# KiCad board KiBoxLite_H.kicad_pcb (continued)
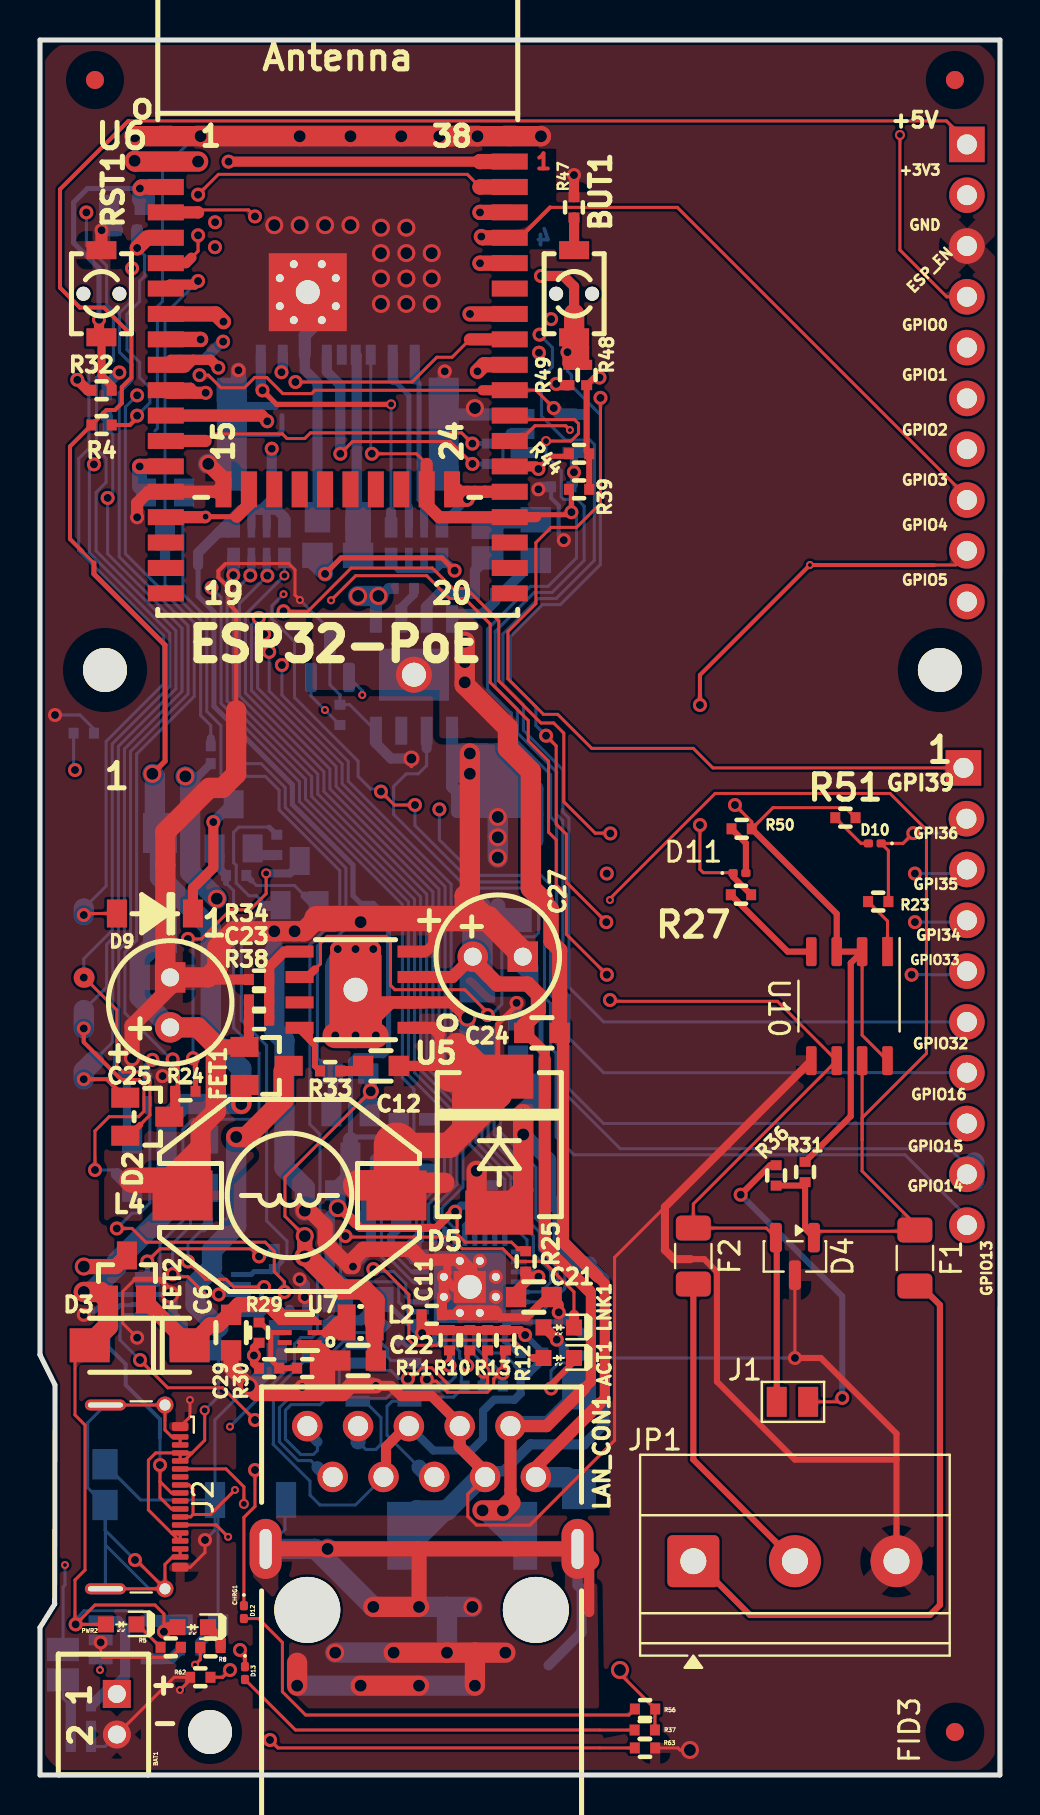
[diagram p0: board, top side]
## Footprints (pads in the part's own frame, mm; a bottom-side part is the same pattern mirrored in y, then rotated) (continued)
RJP-003TC1(LPJ4112CNL)
  round 3.3 hole 3.3 unplated: (-5.715,-0.15) (5.715,-0.15)
  oval 1.6x3 hole 0.6x2: 0(-7.8,2.9) 0(7.8,2.9)
  round 1.524 hole 1: 1(-5.715,9.04) 2(-4.445,6.5) 3(-3.175,9.04) 4(-1.905,6.5) 5(-0.635,9.04) 6(0.635,6.5) 7(1.905,9.04) 8(3.175,6.5) 9(4.445,9.04) 10(5.715,6.5)
SJ
  rect 1.168x1.6 smd: 1(-0.762,0) 2(0.762,0)
SMA-KA
  rect 2x1.7 smd: 1(-2.5,0) 2(2.5,0)
  rect 1.746x1.192 smd: 1(-2.373,0) 2(2.373,0)
SOD-123_1C-2A_KA
  rect 1x1.4 smd: 1(-1.9,0) 2(1.9,0)
SolderJumper_IND_Data
  rect 1x1.5 smd: 1(-0.77,0) 2(0.8,0)
SOT23
  rect 1.4x1 smd: 1(1.107,-0.95) 2(1.107,0.953) 3(-1.102,-0.003)
SOT23-3
  rect 1.4x1 smd: 1(1.1,-0.95) 2(1.1,0.95) 3(-1.1,0)
SOT-23
  rrect 1.475x0.6 smd: 1(-0.938,0.95) 2(-0.938,-0.95) 3(0.938,0)
SOT-23-5
  rect 1.2x0.55 smd: 1(1.3,-0.95) 2(1.3,0) 3(1.3,0.95) 4(-1.3,0.95) 5(-1.3,-0.95)
SOT-563-6
  rect 0.75x0.23 smd: (-0.775,0.5) (-0.775,0) (-0.775,-0.5) (0.775,0.5) (0.775,0) (0.775,-0.5)
  rect 0.7x0.25 smd: 1(0.75,-0.5) 2(0.75,0) 3(0.75,0.5) 4(-0.75,0.5) 5(-0.75,0) 6(-0.75,-0.5)
TerminalBlock_Phoenix_MKDS-1,5-3-5.08_1x03_P5.08mm_Horizontal
  rrect 2.6x2.6 hole 1.3: 1(0,0)
  round 2.6 hole 1.3: 2(5.08,0) 3(10.16,0)
USB_C_Receptacle_G-Switch_GT-USB-7025
  rrect 0.28x0.83 smd: A1(-3,3.45) A4(-2.2,3.45) A5(-1.4,3.45) A6(-0.6,3.45) A7(-0.2,3.45) A8(0.2,3.45) A9(1.8,3.45) A12(2.6,3.45) B1(3,3.45) B4(2.2,3.45) B5(1.4,3.45) B6(1,3.45) B7(0.6,3.45) B8(-1,3.45) B9(-1.8,3.45) B12(-2.6,3.45)
  rrect 0.45x0.83 smd: GND(-3.515,3.45) GND(3.515,3.45)
  round 0.85 hole 0.55: SH(-4.595,2.69) SH(4.595,2.69)
  oval 0.55x2.05 hole 0.25x1.75: SH(-4.595,-0.29) SH(4.595,-0.29)
uSD(TFC-9P-1.xH(ATFFS150A01BR016))
  rect 1.76x1.46 smd: (-5.3,-1.55) (-5.3,2.9) (5.3,-1.55) (5.3,2.9)
  rect 0.5x1 smd: 1(3.85,-3.3) 2(2.75,-3.3) 3(1.65,-3.3) 4(0.9,-3.3) 5(-0.55,-3.3) 6(-1.65,-3.3) 7(-2.75,-3.3) 8(-3.85,-3.3) CD1(0.2,-3.3)
  rect 1.5x1.2 smd: CH1(-5.3,-1.55) CH1(-5.3,2.9) CH1(5.3,-1.55) CH1(5.3,2.9)
  rect 1.5x4.5 smd: CH1(-5.3,0.5) CH1(5.3,0.5)

## Nets
+3.3V: C10.1 C22.1 C29.2 EXT1.2 FET3.2 L2.2 L5.1 R2.1 R16.2 R29.2 R32.1 R37.1 R39.1 R44.2 R48.1 R56.1 RM3.1.2 RM3.2.2 RM3.3.2 RM3.4.2 U6.2
+3.3VLAN: C9.1 C14.1 C28.2 FET3.3 L1.1 R25.2 RM1.3.1 RM2.1.1 RM2.2.1 RM2.3.1 RM2.4.1 U4.12 U8.5
+5V: C1.1 CHRG1.2 D1.1 D3.2 EXT1.1 FET1.2 FET2.1 PWR2.2 R1.1 R4.1 R31.1 R50.2 R51.2 U3.4 U10.2 U10.3 U10.8
+5VP: C23.1 C25.1 D1.2 FET1.1 L4.2 R38.1
/+5V_USB: C7.1 FET1.3 J2.A4 J2.A9 J2.B4 J2.B9 R18.1 U1.7
GND: BAT1.2 C1.2 C2.1 C3.2 C6.2 C7.2 C8.2 C9.2 C11.2 C13.2 C14.2 C15.2 C16.2 C17.2 C18.2 C19.2 C20.2 C21.1 C22.2 C25.2 C26.2 C27.2 C28.1 D4.3 D4#2.3 D5.2 EXT1.3 J1.3 J2.GND L7.2 LAN_CON1.7 LAN_CON1.8 MICRO_SD1.6 MICRO_SD1.CH1 R1.2 R5.2 R6.2 R7.2 R9.2 R15.2 R22.2 R26.2 R30.2 R34.2 R35.2 R41.1 R42.2 R47.2 R62.2 R63.2 RM1.1.1 RM1.2.1 RST1.2 T1.2 TVS1.2 U1.3 U3.2 U4.24 U4.25 U4.33 U5.4 U6.1 U6.15 U6.38 U6.39 U7.1 U8.3 U9.5 U9.8 U10.5
/D+: J2.A6 J2.B6 U1.1
/D-: J2.A7 J2.B7 U1.2
/D_Com: D2.3 R24.2 R49.2
/ESP_EN: C20.1 D9.2 EXT1.4 R32.2 RST1.1 U6.3
/GPI34\BUT1: BUT1.1 EXT2.4 R48.2 R49.1 U6.6
/GPI35: BAT_SENS_E1.1 EXT2.3 U6.7
/GPI36\U1RXD: D10.1 EXT2.2 R23.1 U6.4
/GPI39: EXT2.1 R4.2 R9.1 U6.5
/GPIO0: D2.2 EXT1.5 R44.1 U6.25 U8.2
/GPIO1\U0TXD: D7.1 EXT1.6 U6.35
/GPIO2\HS2_DATA0: D2.1 EXT1.7 R46.1 RM3.4.1 U6.24
/GPIO3\U0RXD: D6.2 EXT1.8 R16.1 R19.2 U6.34
/GPIO4\U1TXD: D11.1 EXT1.9 R27.1 U6.26
/GPIO5\SPI_CS: EXT1.10 U6.29
/GPIO12\PHY_PWR: T1.1 U6.14
/GPIO13\I2C-SDA: EXT2.10 U6.16
/GPIO14\HS2_CLK: EXT2.9 R40.1 U6.13
/GPIO15\HS2_CMD: EXT2.8 MICRO_SD1.3 R39.2 U6.23
/GPIO16\I2C-SCL: EXT2.7 R45.2 U6.27
/GPIO17\EMAC_CLK_OUT_180: U4.5 U6.28 U8.4
/GPIO18\MDIO(RMII): RM2.4.2 U4.16 U6.30
/GPIO19\EMAC_TXD0(RMII): U4.22 U6.31
/GPIO21\EMAC_TX_EN(RMII): U4.21 U6.33
/GPIO22\EMAC_TXD1(RMII): U4.23 U6.36
/GPIO23\MDC(RMII): U4.17 U6.37
/GPIO25\EMAC_RXD0(RMII): RM2.2.2 U4.11 U6.10
/GPIO26\EMAC_RXD1(RMII): RM2.1.2 U4.10 U6.11
/GPIO27\EMAC_RX_CRS_DV: RM2.3.2 U4.15 U6.12
/GPIO32: EXT2.6 U6.8
/GPIO33: EXT2.5 R45.1 U6.9
/RD+: LAN_CON1.3 R11.2 TVS1.1 TVS3.1 U4.31
/RD-: LAN_CON1.6 R10.2 TVS1.5 TVS3.2 U4.30
/TD+: LAN_CON1.1 R13.2 TVS1.3 TVS2.2 U4.29
/TD-: LAN_CON1.2 R12.2 TVS1.4 TVS2.1 U4.28
Spare1: C24.1 C27.1 D8.1 LAN_CON1.9 R7.1 R28.2 R42.1 R52.1 U5.3 U9.1
Spare2: C24.2 D8.2 LAN_CON1.10 R53.2 R54.1 U9.4 U9.9
Net-(ACT1-A): ACT1.2 U4.3
Net-(ACT1-K): ACT1.1 R15.1
Net-(BAT_SENS_E1-Pad2): BAT_SENS_E1.2 C19.1 R17.2 R22.1
Net-(BUT1-Pad2): BUT1.2 R47.1
Net-(C10-Pad2): C10.2 FET3.1 R2.2 R3.1
Net-(C12-Pad2): C12.2 R33.2
Net-(C26-Pad1): C26.1 R43.1
Net-(CHRG1-K): CHRG1.1 R8.1
Net-(Class4_EN1-Pad1): Class4_EN1.1 R54.2
Net-(D3-K): C6.1 D3.1 FET2.2 U7.3 U7.4
Net-(D4-A1): D4.1 D4#2.1 F1.1 R31.2 R36.1 U10.7
Net-(D4-A2): D4.2 D4#2.2 F2.1 JP1.1 R35.1 U10.6
Net-(D5-K): C12.1 D5.1 L4.1 R43.2 U5.1
Net-(D9-K): D9.1 Q2.3
Net-(D10-A): D10.2 R51.1
Net-(D11-A): D11.2 R50.1
Net-(D12-A): D12.2 R56.2
Net-(D12-K): D6.1 D12.1 U1.8
Net-(D13-A): D13.2 R37.2
Net-(D13-K): D7.2 D13.1 R18.2 U1.9
Net-(J1-Pin_1): F1.2 J1.1
Net-(J1-Pin_2): F2.2 J1.2
Net-(J2-CC1): J2.A5 R63.1
Net-(J2-CC2): J2.B5 R62.1
Net-(J2-SHIELD): J2.A1 J2.A12 J2.B1 J2.B12 J2.SH L7.1
Net-(JP1-B): JP1.2 R36.2
Net-(LAN_CON1-RCT): C11.1 C13.1 C15.1 C16.1 L1.2 LAN_CON1.4 LAN_CON1.5 R10.1 R11.1 R12.1 R13.1 R14.1 U4.1 U4.27
Net-(LAN_CON1-Shield): C2.2 LAN_CON1.0
Net-(LNK1-A): LNK1.2 R14.2
Net-(LNK1-K): LNK1.1 U4.2
Net-(MICRO_SD1-CD/DAT3/CS): MICRO_SD1.2 RM3.2.1
Net-(MICRO_SD1-CLK/SCLK): MICRO_SD1.5 R40.2
Net-(MICRO_SD1-DAT0/DO): MICRO_SD1.7 R46.2
Net-(MICRO_SD1-DAT1/RES): MICRO_SD1.8 RM3.1.1
Net-(MICRO_SD1-DAT2/RES): MICRO_SD1.1 RM3.3.1
Net-(MICRO_SD1-VDD): C3.1 L5.2 MICRO_SD1.4
Net-(PWR2-K): PWR2.1 R5.1
Net-(Q2-B): Q2.1 R20.2
Net-(Q2-E): Q2.2 R21.1 U1.4
Net-(Q3-B): Q3.1 R21.2
Net-(Q3-C): Q3.3 R24.1
Net-(Q3-E): Q3.2 R20.1 R55.1 U1.6
Net-(R28-Pad1): R28.1 U5.2 U5.9
Net-(T1-C): R3.2 T1.3
Net-(U1-CTS#): R55.2 U1.5
Net-(U1-V3): C8.1 R19.1 U1.10
Net-(U3-CHRGb): R8.2 U3.1
Net-(U3-PROG): R6.1 U3.5
Net-(U3-VBAT): BAT1.1 FET2.3 R17.1 U3.3
Net-(U4-NRST): C21.2 R25.1 U4.19
Net-(U4-RBIAS): R26.1 U4.32
Net-(U4-RXCLK/PHYAD1): RM1.1.2 U4.7
Net-(U4-RXD2/RMIISEL): RM1.3.2 U4.9
Net-(U4-RXD3/PHYAD2): RM1.2.2 U4.8
Net-(U4-RXER/RXD4/PHYAD0): R41.2 U4.13
Net-(U4-VDDCR): C17.1 C18.1 U4.6
Net-(U5-BS): R33.1 U5.8
Net-(U5-EN): U5.6 U9.6
Net-(U5-FB): C23.2 R34.1 R38.2 U5.5
Net-(U7-FB): C29.1 R29.1 R30.1 U7.5
Net-(U7-SW): L2.1 U7.2
Net-(U9-CLS): Class4_EN1.2 R53.1 U9.3
Net-(U9-DEN): R52.2 U9.2
Net-(U10-DI): R27.2 U10.4
Net-(U10-RO): R23.2 U10.1

Pads without a net: FID1 Fid1; FID2 Fid1; FID3 Fid1; FID4 Fid1; FID5 Fid1; FID6 Fid1; J2 A8 B8; MICRO_SD1 CD1; RM1 4.1 4.2; U4 4 14 18 20 26; U5 7; U6 17 18 19 20 21 22 32; U7 6; U8 1; U9 7

## Via types
v1: diameter 0.7, hole 0.4, Top to Bottom, 153 vias
v2: diameter 0.9, hole 0.6, Top to Bottom, 73 vias
v3: diameter 0.8, hole 0.5, Top to Bottom, 3 vias
v4: diameter 0.4, hole 0.2, Top to Bottom, 16 vias
v5: diameter 0.5, hole 0.3, Top to Bottom, 8 vias

## Routing (per net, layer and track width the routed paths; a pad name or vN(x,y) marks a point on that pad's centre or on a via; arc(x,y) is an arc through that point)
+3.3V: length 259.8
  Top w0.152: v3(16.54,34.19) 12.25,29.89 12.25,27.94 v2(13.24,26.95) ; R37.1 30.75,3.28 ; R56.1 29.01,5.05 29.01,5.24 v2(29,5.25)
  Top w0.254: v1(14.25,60.06) 15.05,60.86 RM3.4.2 v1(20.73,60.22)
  Top w0.305: R39.1 R44.2 27.34,66.19 R48.1 27.72,69.87 v1(27.98,69.87)
  Top w0.406: R29.2 10.7,21.36 v1(10.7,20.98) 10.7,20.6 C29.2
  Top w0.508: R32.1 2.38,69.24 v1(1.87,69.76)
  Top w0.762: C22.1 16.73,20.78 L2.2 ; v2(13.24,25.93) v2(13.24,26.95)
  Top w1.016: v2(13.24,25.93) 13.37,25.93 15.02,24.28 16.16,24.28 16.73,23.71 L2.2 ; v2(4.73,80.71) 4.77,80.67 v2(7.91,80.67)
  In1.Cu w0.152: v2(7.91,80.67) 8.48,81.25 19.7,81.25 27.03,73.92 27.03,70.82 v1(27.98,69.87) 37.1,78.99 46.5,78.99 ; v2(8.84,43.82) 8.84,40.34 7.39,38.89 6.62,38.89 5.52,37.79 5.52,35.86 v1(5.62,35.76) 6.22,36.36 7.36,36.36 7.41,36.41 14.31,36.41 v3(16.54,34.19) ; v1(10.7,20.98) 10.63,21.05 10.63,24.64 11.92,25.93 v2(13.24,25.93) ; v2(4.73,80.71) 4.08,80.71 1.59,78.22 1.59,70.03 v1(1.87,69.76) 1.87,64.55 3.14,63.27 3.62,63.27 3.83,63.48 17.47,63.48 v1(20.73,60.22) ; v2(7.27,49.93) 7.35,49.93 14.13,56.71 14.13,59.93 v1(14.25,60.06)
  In2.Cu w0.152: v2(13.24,25.93) 17.67,21.5 22.57,21.5 29,15.07 v2(29,5.25) ; 46.5,78.99 44.23,81.26 8.49,81.26 v2(7.91,80.67)
  Bottom w0.254: 18.45,60.22 17.91,60.22 17.56,60.58 RM3.1.2 ; 18.45,60.22 RM3.2.2 ; 18.45,60.22 19.21,60.22 ; 19.21,60.22 19.82,60.22 20.1,60.5 RM3.4.2 ; 19.21,60.22 RM3.3.2
  Bottom w0.305: v1(5.62,35.76) 5.36,35.51 R16.2
  Bottom w0.406: R2.1 7.91,49.93 v2(7.27,49.93) ; RM3.4.2 v1(20.73,60.22)
  Bottom w0.508: 13.37,60.6 13.75,60.98
  Bottom w0.61: FET3.2 16.54,33.2 v3(16.54,34.19) 16.54,34.95 C10.1
  Bottom w0.762: 13.75,60.98 13.75,60.56 v1(14.25,60.06) 14.25,60.6 L5.1
  Bottom w1.016: v2(7.27,49.93) 7.51,49.69 7.51,45.15 v2(8.84,43.82)
+3.3VLAN: length 92.7
  Top w0.152: v1(20.76,28.17) 20.86,28.06 20.86,27.05 21.27,26.64 23.58,26.64 23.91,26.31
  Top w0.254: R25.2 24.16,26.31 23.91,26.31
  Top w0.406: v1(20.76,28.17) 20.63,28.17 19.82,27.35 16.01,27.35 15.78,27.58
  Top w0.508: v2(14.89,28.34) 15.02,28.34 15.78,27.58
  In1.Cu w0.254: v1(11.59,66.32) 11.72,66.44 13.49,66.44 14.38,67.33 22.13,67.33 23.45,66.01 25.74,66.01 26.61,65.14 v1(26.7,65.14)
  Bottom w0.254: U4.12 21.24,27.48 21.75,27.99 C14.1 ; RM1.3.1 15.65,31.9 15.53,31.77 15.53,35.71 15.78,35.96 17.18,35.96 17.43,36.22 17.43,42.82 16.67,43.58 16.03,43.58 15.65,43.96 15.65,45.5 12.62,48.53 12.62,49.52 8.7,53.44 8.7,58.16 7.91,58.95 7.91,60.47
  Bottom w0.406: v1(20.76,28.17) 21.06,28.47 C14.1 ; C28.2 26.7,64.54 v1(26.7,65.14) 26.7,66.1 U8.5 ; RM2.2.1 10.57,63.14 10.44,63.27 ; RM2.3.1 11.33,63.27
  Bottom w0.508: FET3.3 15.53,30.93 ; 11.08,63.27 10.06,63.27 ; 11.08,63.27 11.59,63.78 ; 11.08,63.27 11.84,63.27 ; 11.59,63.78 11.59,63.52 11.84,63.27 ; 11.59,63.78 v1(11.59,66.32) ; 8.92,62.12 9.43,62.12 RM2.1.1 9.68,62.89 10.06,63.27 ; 8.92,62.12 7.91,61.11 7.91,60.47 ; 8.92,62.12 10.06,63.27 ; RM2.4.1 12.22,62.89 11.84,63.27 ; 14.89,29.1 C9.1 ; 15.02,23.77 14.49,24.3 14.49,27.94 v2(14.89,28.34)
  Bottom w0.762: C9.1 15.4,29.87 15.4,30.8 FET3.3 ; 15.53,30.93 15.53,31.77 ; v2(14.89,28.34) 14.89,29.1
+5V: length 227.3
  Top w0.15: v1(1.78,7.53) 1.75,7.56 1.75,9.75 2.25,10.25 2.25,17.5 1.75,18 1.75,20.75 D3.2
  Top w0.152: v1(34.75,48.5) 35.59,47.66 R50.2 36.65,48.37 40.28,48.37 R51.2 ; 2,7.75 v1(1.78,7.53) ; v1(1.78,7.53) 2.75,8.5 5.75,8.5 6.2,8.05 v1(6.2,7.16) ; v1(1.78,7.53) PWR2.2 ; U10.2 41.11,36.99 U10.8 ; D3.2 2,21 ; 4.42,82.7 45.33,82.7 46.5,81.53 ; 2.7,60.6 2.12,61.18
  Top w0.203: 2.12,61.18 1.5,61.8 1.5,66.43 R4.1 3.32,68.25 3.75,68.25 4.09,68.59 4.09,69.39 4.57,69.88 4.57,72 3.2,73.37 1.99,73.37 1,74.37 1,79.28 4.42,82.7
  Top w0.254: v2(5.62,50.06) 6.25,50.7 6.25,56.5 2.7,60.05 2.7,60.6
  Top w0.305: R31.1 40.54,32.94 40.54,40.6 U10.2 U10.3 39.84,43.06 R50.2
  Top w0.508: CHRG1.2 6.43,7.39 v1(6.2,7.16) 6.24,7.2
  Top w1.016: v2(2.19,24.15) 3.02,24.15 3.4,23.77 3.4,22.44 2.48,21.53 D3.2 ; FET1.2 10.06,34.34 v2(10.06,33.55)
  In1.Cu w0.152: v2(5.62,50.06) 1.94,50.06 v1(1.75,50.25)
  In2.Cu w0.152: v1(34.75,48.5) 34.75,48.32 29.75,43.32 13.89,43.32 8.98,48.23 7.45,48.23 v2(5.62,50.06)
  Bottom w0.152: v1(6.2,7.16) 6.55,7.52 7.13,7.52 ; v1(6.2,7.16) 6.25,7.22 6.25,7.71 ; v1(6.2,7.16) 5.65,7.71 U3.4 5.13,8.21 2.2,8.21 1.78,7.79 v1(1.78,7.53) ; v1(1.75,50.25) 1.68,50.32 R1.1
  Bottom w0.508: U3.4 5.8,7.71
  Bottom w0.61: 7.13,7.52 6.94,7.71 U3.4
  Bottom w1.016: v2(2.19,24.15) 2.57,24.15 3.84,25.42 3.84,25.68 6.33,28.17 6.33,32.74 7.14,33.55 v2(10.06,33.55) 10.06,35.33 8.54,36.85 8.54,42.35 6,44.89 D1.1 5.75,47.35 5.75,49.93 v2(5.62,50.06)
+5VP: length 26.7
  Top w0.508: C23.1 R38.1 10.44,36.62 FET1.1
  Top w0.762: 8.79,36.47 8.86,36.4 FET1.1
  Top w1.016: 8.03,31.26 7.91,31.26 6.38,29.74 6.38,29.72 7.13,28.98 8.03,29.88 8.03,31.26 ; 8.03,31.26 8.03,32.41 8.79,33.17 8.79,36.47 7.89,37.38 C25.1
  Top w1.27: 7.13,28.98 6.36,29.74 4.6,29.74
  Bottom w1.016: D1.2 6,41.83 4.98,40.81 4.98,38.9 C25.1
/+5V_USB: length 33.9
  Top w0.152: 6.57,12.1 J2.A9 J2.B4 6.97,11.71 6.57,12.1 ; 6.57,12.1 5.42,13.25 5.42,15.74 5.79,16.1 J2.A4 ; J2.A4 7.61,16.1 ; J2.A4 J2.B9 7.2,15.71 7.61,16.1 ; 7.61,16.1 8.24,16.74 v5(8.24,18.24)
  Top w0.762: FET1.3 12.18,35.2
  Top w1.016: 12.18,35.2 12.18,33.76 10.32,31.9 v2(9.81,31.9)
  Bottom w0.152: 8.92,21.23 8.92,18.92 v5(8.24,18.24)
  Bottom w0.254: U1.7 9.44,24.53 8.6,25.36
  Bottom w0.305: 8.92,22.37 8.92,21.23 ; R18.1 9.68,27.58 9.81,27.45
  Bottom w1.016: 8.92,22.37 7.78,23.52 7.78,24.53 8.6,25.36 8.6,26.25 9.81,27.45 v2(9.81,31.9)
GND: length 617.7
  Top w0.15: v2(32.5,1.25) 32,1.25 31.9,1.35 R63.2
  Top w0.152: v1(3.03,6.63) 3.03,5.97 3.13,5.88 6.54,5.88 R5.2 ; v2(16.03,42.64) 15.65,43.02 ; 9.23,60.52 9.29,60.57 12.44,60.57 12.75,60.26 12.75,59 v4(13,58.75) ; LAN_CON1.8 21.39,14.04 21.39,12.92 21.82,12.49 24.49,12.49 28.73,16.73 28.73,25.88 U10.5 ; v4(7.5,18.75) 7.5,17.91 J2.GND ; 9.12,49.35 9.25,49.35 ; v1(4.86,21.87) 4.14,22.59 4.14,24.17 4.75,24.79 ; J2.GND 7.51,10.39 8.25,11.13 v1(8.25,11.75) ; BAT1.2 6.71,4.89 R62.2 7.51,4.76 v4(7,4.25) ; v1(37.75,20.85) D4.3 ; 32.4,1.35 v2(32.5,1.25) ; 32.67,25.79 32.54,25.79
  Top w0.203: 9.23,60.52 8.92,60.21 8.92,59.88 9.43,59.37 9.43,58.57 9.81,58.19 9.81,53.23 ; v3(18.57,50.82) 18.57,50.44
  Top w0.254: 4.75,24.79 5.99,24.79 6.51,24.27 v2(6.51,24.03) ; 12.98,21.61 12.99,21.62 U7.1 13.47,21.36
  Top w0.305: 32.67,25.79 33.21,25.79 33.85,25.16 33.85,19.67 37.75,15.77 42.83,15.77 ; J1.3 42.83,15.77 ; 42.83,15.77 42.83,17.07 39.05,20.85 v1(37.75,20.85) ; 12.98,21.36 13.47,21.36
  Top w0.406: 22.73,23.11 22.79,23.11 23.02,22.88 24.34,22.88 25.35,23.9 C21.1 ; C21.1 25.58,23.87 25.94,23.52 ; C21.1 25.81,23.9 ; 20.69,24.41 U4.33 20.38,25.09 20.38,25.44 ; 17.81,19.2 17.68,19.33 ; 32.54,25.79 31.71,25.79 31.25,26.25 31.25,28.4 U10.5
  Top w0.508: R34.2 8.5,39.77 8.39,39.88 ; LAN_CON1.7 20.99,17.55 19.59,18.94 18.06,18.94 17.56,19.45 v1(16.8,19.45) ; 20.69,24.41 U4.33 ; 12.86,19.33 13.11,19.07 v1(13.11,19.4) ; U4.33 U4.33 20.1,23.81 C11.2 20.9,23.01 U4.33 ; 9.81,52.04 9.81,53.23 9.68,53.36 ; 25.94,23.52 v1(25.94,23.14) ; R47.2 v1(26.7,80) ; D5.2 22.86,28.12 21.83,29.15 ; 20.94,25.76 U4.33 20.96,25.71 ; 19.59,42.82 19.67,42.74 19.67,41.53 19.3,41.17 U5.4 ; 19.41,25.66 19.52,25.76
  Top w0.61: v1(4.86,62.89) 4.86,63.6 5.42,64.16 8.92,64.16 ; LAN_CON1.7 20.99,16.42 22.26,15.15 LAN_CON1.8 ; 19.52,25.76 20.94,25.76 ; RST1.2 3.07,77.23 v1(3.08,77.24)
  Top w0.762: v2(8.41,65.55) 9.19,64.78 9.19,64.43 8.92,64.16 ; 14.38,19.07 14.38,20.6 14.51,20.72 ; 14.38,19.07 10.83,19.07 v2(10.44,19.45) 9.56,20.34 C6.2 ; 14.38,19.07 15.14,19.07 15.53,19.45 v1(16.8,19.45) ; 13.87,20.72 R30.2 13.87,19.77 13.51,19.4 v1(13.11,19.4) ; 13.87,20.72 13.87,21.23 14,21.23 14.51,20.72 ; 13.87,20.72 14.51,20.72 ; U4.33 U4.33 22.73,23.11 ; 19.41,25.66 19.18,25.66 18.55,26.29 16.16,26.29 15.65,25.78 v1(15.65,25.42) 15.48,25.42 14.25,26.64 14.25,27.45 13.49,28.22 v2(13.24,28.22) ; C25.2 6.51,39.37 4.6,37.46 v3(4.6,35.84) ; 14.51,20.72 C22.2 ; U4.33 21.49,25.21 U4.33
  Top w1.016: 20.48,81.94 v2(19.97,81.94) ; 20.48,81.94 v2(18.06,81.94) v2(15.53,81.94) v2(12.98,81.94) 8.04,81.94 v2(8.03,81.94) 4.73,81.94 v2(4.73,81.94) ; 20.48,81.94 v2(21.88,81.94) 21.88,81.94 U6.38 25.05,81.94 v2(25.05,81.94) ; 9.81,51.58 9.81,53.23 ; 21.24,43.96 21.49,44.22 v2(21.49,51.08) ; 21.24,43.96 21.24,43.25 20.81,42.82 20.35,42.82 ; 21.24,43.96 22.38,42.82 ; 13.85,42.82 13.21,42.19 v2(12.73,42.19) v2(11.72,42.19) 9.68,42.19 8.88,41.38 8.88,40.36 8.39,39.88 C25.2 6.27,40.12 6.27,47.15 8.47,49.35 9.12,49.35 9.81,50.04 9.81,52.04 ; 22.67,28.22 22.89,27.99 24.16,29.26 v2(24.16,32.03) v2(24.16,33.04) ; v2(21.83,30.21) 21.83,29.15
  Top w1.27: C27.2 24.14,41.06 22.38,42.82 13.85,42.82
  In1.Cu w0.152: v1(4.86,62.89) 0.75,58.78 v1(0.75,53) ; 23.14,62.25 24.92,64.03 v1(24.92,64.28) ; v2(21.75,68.35) 19.06,68.35 18.55,67.84 14.13,67.84 13.24,66.95 11.11,66.95 ; v2(13.24,28.22) 12.22,28.22 v3(4.6,35.84) ; J1.3 33.39,1.25 v2(32.5,1.25) ; v1(3.03,6.63) 2.25,5.85 2.25,3.79 2.91,3.12 5.87,3.12 v4(7,4.25)
  In1.Cu w1.016: 6.51,41.17 C25.2 5,39.88 ; 25.69,40.92 C27.2 24.14,39.67 ; v2(21.49,51.08) 22.51,51.08 23.14,51.71 23.14,62.25
  In1.Cu w1.27: C27.2 24.14,42.8
  In2.Cu w0.152: 46.5,76.45 44,78.95 44,80.2 43.25,80.95 28.13,80.95 27.18,80 v1(26.7,80) ; v4(7.5,18.75) 8.2,19.45 v2(10.44,19.45)
  In2.Cu w0.762: 18.83,51.08 v2(21.49,51.08) v2(21.49,50.06) 21.11,50.44 18.95,50.44 v3(18.57,50.82) 18.83,51.08
  Bottom w0.152: v2(8.03,81.94) 7.78,81.94 6.13,80.29 6.13,73.68 5.87,73.43 5.87,67.33 5.75,67.2 ; BAT1.2 3.24,1.42 C19.2 ; C1.2 8.91,13.59 C2.1 ; R26.2 17.14,22.37 16.67,22.37 16.41,22.12 15.08,22.12 14.36,21.4 14.36,20.32 13.44,19.4 v1(13.11,19.4) ; C2.1 5.03,13.75 L7.2 ; C2.1 8.75,17.76 v2(10.44,19.45) ; C2.1 8.75,12.25 v1(8.25,11.75) ; v4(13,58.75) 14.5,57.25 D4#2.3 14.5,54.51 15.01,53.99 15,53.98 R35.2 15.48,53.52 16.79,52.21 U9.8 ; v1(0.75,53) 2,53 2.7,52.3 R1.2 ; v1(37.75,20.85) 28.22,20.85
  Bottom w0.203: C28.1 25.56,63.85 25.94,63.47 25.94,62 v1(26.19,61.74)
  Bottom w0.254: 24.8,39.26 24.8,38.63 25.05,38.38 25.05,34.44 ; 24.8,39.26 24.8,39.39 24.42,39.77 ; 24.8,39.26 24.8,40.28 24.67,40.41 ; U4.24 23.24,22.66 ; U4.24 26.42,22.66 26.7,22.37 ; U4.24 23.55,22.66 23.24,22.35 U4.25 ; 23.24,22.66 U4.33 ; 23.24,22.66 U4.25 ; 24.16,21.1 23.83,21.1 23.24,21.69 U4.25 ; RM1.2.1 17.18,31.14 16.8,30.76 ; v2(6.51,24.03) U1.3 3.56,24.03 2.72,23.19 2.37,23.19 v1(2.19,23.01) ; 12.1,67.97 12.1,67.2 11.92,67.03 9.78,67.03 MICRO_SD1.CH1
  Bottom w0.305: RM1.1.1 16.8,30.25
  Bottom w0.406: MICRO_SD1.CH1 9.59,68.45 11.77,68.45
  Bottom w0.508: v2(21.83,30.21) 21.83,29.65 22,29.49 22.13,29.49 ; 12.48,22.5 12.48,23.26 ; 12.48,22.5 11.72,22.5 11.72,21.23 C13.2 ; 12.48,22.5 C16.2 13.37,23.77 v1(13.24,23.9) 13.24,24.53 v1(12.98,24.79) ; C27.2 24.16,40.92 24.67,40.41 ; LAN_CON1.8 22.54,15.19 23.17,15.19 24.52,16.53 27.21,16.53 28.22,17.55 28.22,24.79 27.46,25.55 ; 13.24,71.01 13.24,70.25 13.87,69.62 C3.2 ; R22.2 C19.2 ; U3.2 v1(3.03,6.63) ; v2(6.51,24.03) 6.64,23.9 6.64,23.01 7.14,22.5 C7.2 ; v1(15.65,25.42) C18.2 16.54,27.33 16.29,27.58 C17.2 16.29,28.98 C9.2 ; 20.61,51.33 22,51.33 22.26,51.08 ; v1(24.92,64.28) 25.05,64.41 C28.1 ; 21.21,51.04 21.24,51.08 ; C7.2 6.89,21.49 ; C7.2 7.4,21.49 ; MICRO_SD1.CH1 20.19,64.83 20.22,64.79 ; R15.2 26.7,22.37 v1(25.94,23.14) ; 22.13,29.49 C14.2 ; 22.13,29.49 R41.1 ; v3(18.57,50.82) 17.56,50.82 16.8,51.58 U9.8 ; 9.06,7.68 C1.2 8.02,6.63 R6.2 ; v1(16.8,19.45) 16.61,19.64 TVS1.2
  Bottom w0.61: v1(20.24,70.18) 20.19,70.13 MICRO_SD1.CH1 ; 20.22,67.2 20.22,67.59 20.67,68.03 U8.3 ; 9.59,64.81 8.93,64.16 7.24,64.16 T1.2 ; U6.39 13.78,72.74 13.89,72.63 13.24,71.98 13.24,71.01 ; 16.6,29.3 16.8,29.49 16.8,30.76 ; 24.54,39.9 24.14,40.3 C27.2 ; 9.59,64.83 MICRO_SD1.CH1 9.92,67.55 9.92,69.74 ; U9.5 20.61,49.42 20.86,49.17 20.86,48.16 24.54,48.16 24.67,48.03 ; C20.2 3.46,77.62 ; 3.46,77.62 v1(3.08,77.24) R9.2 3.46,77.62
  Bottom w0.762: 9.92,69.74 v1(9.92,70.24) ; 11.72,41.17 v2(11.72,42.19) ; v2(24.16,33.04) v2(24.16,32.03) 25.43,30.76 25.43,28.83 26.02,28.24 26.02,26.63 27.09,25.55 27.46,25.55 ; v2(10.44,19.45) 10.57,19.45 11.84,20.72 C13.2
  Bottom w1.016: 21.24,50.06 22.13,49.17 ; 21.24,50.06 22.26,49.04 R42.2 ; 21.24,50.06 21.24,51.08 ; 20.22,13.23 18.83,13.23 17.96,12.37 17.96,12.09 18.09,11.96 18.95,11.96 20.22,13.23 ; 20.22,13.23 20.35,13.23 22.03,14.9 LAN_CON1.8 ; 11.72,41.17 11.72,37.23 12.22,36.72 12.22,30.38 13.24,29.36 v2(13.24,28.22) ; R42.2 22.13,49.04 ; R42.2 v2(22.89,47.9) v2(22.89,46.89) v2(22.89,45.87) ; 21.24,51.08 22.89,51.08 24.67,49.3 24.67,46.76 ; 21.24,51.08 21.62,51.08 23.14,49.55 23.14,49.17 ; 9.59,64.81 8.85,65.55 v2(8.41,65.55) ; v2(24.16,33.04) 25.05,33.93 C26.2
  vias: v1(6.13,34.95) v2(11.72,77.49) v2(12.98,77.49) v2(14.25,77.49) v2(15.53,77.49) v2(17.05,77.36) v2(17.05,76.09) v2(17.05,74.83) v2(17.05,73.56) v2(18.32,77.36) v2(18.32,76.09) v2(18.32,74.83) v2(18.32,73.56) v2(19.59,76.09) v2(19.59,74.83) v2(19.59,73.56)
/D+: length 20
  Top w0.152: v4(9.75,14.25) 8.53,13.03 7.65,13.03 ; J2.A6 7.45,14.5 7.65,14.3 7.65,13.03 ; 7.65,13.03 7.53,12.91 J2.B6 ; v1(10.75,17.75) 9.14,19.36 6.39,19.36 v1(5,20.75)
  In2.Cu w0.152: v1(10.75,17.75) 9.8,16.8 9.8,14.3 v4(9.75,14.25)
  Bottom w0.152: v1(5,20.75) 4,21.75 4,22.75 4.28,23.03 U1.1
/D-: length 14.7
  Top w0.152: J2.A7 6.57,14.1 6,14.68 ; 6,14.68 6,13.88 6.57,13.31 J2.B7 ; 6,14.68 v1(6,15.5)
  Bottom w0.152: 6,16.89 v1(6,15.5)
  Bottom w0.201: 4.29,20.54 3.43,21.39 3.43,22.9 4.02,23.49 4.58,23.49 4.61,23.53
  Bottom w0.203: 6,16.89 6,17.79 4.29,19.5 4.29,20.54
  Bottom w0.254: U1.2 4.61,23.53
/D_Com: length 63.2
  Top w0.203: R24.2 6.89,34.31 6.89,35.53 v1(6.64,35.78)
  Top w0.508: v1(25.81,69.56) 25.88,69.49 R49.2 26.32,69.49 ; 6.51,32.91 6.89,32.91 6.89,32.92 ; R24.2 6.76,33.21 6.47,32.91
  In1.Cu w0.152: v1(4.86,68.98) 5.31,68.53 10.7,68.53 10.83,68.65 16.16,68.65 17.06,69.56 v1(25.81,69.56)
  Bottom w0.152: v1(6.64,35.78) 6.56,35.78 4.25,38.1 4.25,41.14 4.83,41.73 4.83,51.05 7.71,53.93 7.71,57.62 4.27,61.06 4.27,68.39 v1(4.86,68.98)
/ESP_EN: length 103.3
  Top w0.152: 46.5,73.91 45.34,73.91 43,76.25 v5(43,82) ; v1(2.19,43) 2.27,43.07 D9.2 ; 5,79.4 U6.3
  Top w0.406: R32.2 3.59,69.46 3.08,69.97 3.08,71.88 RST1.1
  Top w0.508: RST1.1 2.95,72 v1(2.95,72.77)
  Top w0.762: U6.3 5.07,79.4 v1(5,79.33)
  In2.Cu w0.152: v5(43,82) 41.75,83.25 8.38,83.25 5,79.87 v1(5,79.33)
  Bottom w0.152: v1(2.95,72.77) 2.95,70.66 2.44,70.15 2.44,66.33 1.94,65.82 1.94,61.21 6.19,56.96 6.19,54.56 3.31,51.68 3.31,44.45 2.19,43.33
  Bottom w0.254: v1(2.95,72.77) 2.95,75.33 1.68,76.6 1.68,78.64 2.37,79.33 v1(5,79.33)
  Bottom w0.762: C20.1 5,78.75 v1(5,79.33)
  Bottom w1.016: 2.19,43.33 v1(2.19,43)
/GPI34\BUT1: length 84.8
  Top w0.152: 7.57,75.87 7.91,76.2 v1(7.91,76.98) ; v1(28.32,42.64) 26.36,44.6 26.32,44.6 26.32,47.04 25.81,47.55 25.81,51.46 v1(25.3,51.97)
  Top w0.508: 26.7,71.9 26.38,71.58 v1(26.38,71.14) 26.38,70.58 R49.1 26.83,70.51 ; 7.57,75.87 7.3,75.59 6.39,75.59 ; 26.83,70.51 26.71,70.63 BUT1.1 27.21,71.39 27.21,70.51 ; 26.83,70.51 R48.2 ; 26.71,73.06 26.71,74.42 26.18,74.95 v1(25.05,74.95)
  Top w1.016: BUT1.1 26.71,73.06
  In1.Cu w0.152: v1(28.32,42.64) v1(43.75,42.64)
  In1.Cu w0.254: v1(7.91,76.98) 7.91,77.96 9.24,79.3 18.81,79.3 21.88,76.22 22.57,76.22 23.84,74.95 v1(25.05,74.95)
  Bottom w0.152: 26.38,71.01 26.38,70.2 26.57,70 26.57,69.47 28.02,68.02 28.02,60.52 26.02,58.52 25.13,58.52 23.53,56.92 23.53,54.68 24.8,53.41 24.8,52.47 v1(25.3,51.97) ; 46.77,42.73 46.68,42.64 v1(43.75,42.64)
/GPI35: length 175.8
  Top w0.508: U6.7 6.49,74.52 7.73,74.52 v1(7.91,74.7)
  In1.Cu w0.152: v1(43.75,45.07) 43.22,44.54 28.88,44.54 v1(28.34,45.07) ; v1(7.91,74.7) 8.03,74.7 11.33,71.4 23.41,71.4 24.8,72.79 v1(25.56,72.79)
  In2.Cu w0.152: v1(25.56,72.79) 25.56,70.76 26.57,69.75 26.57,68.16 25.78,67.37 25.78,64.29 23.53,62.03 23.53,54.63 26.19,51.97 26.19,46.25 27.37,45.07 v1(28.34,45.07) ; v4(9.5,17.42) 8.23,17.42 7.07,18.57 7.07,19.32 7.98,20.23 7.98,25.92 7.64,26.25 2.06,26.25 1.49,25.68 1.49,19.98 1.25,19.75 v4(1.25,10.5)
  Bottom w0.152: v4(1.25,10.5) 1.25,9.5 1.15,9.4 BAT_SENS_E1.1 ; v1(43.75,45.07) 46.07,45.07 46.27,45.27 46.77,45.27 ; v4(9.5,17.42) 12.73,20.65 12.73,21.56 13.04,21.87 13.59,21.87 13.87,22.15 13.87,25.29 14,25.42 14,32.03 13.49,32.53 13.49,41.5 14.22,42.23 14.73,42.23 14.99,42.49 14.99,45.22 11.96,48.26 11.96,49.24 11.27,49.93 9.17,49.93 9.05,50.06 9.05,52.47 8.34,53.18 8.34,57.86 7.14,59.05 7.14,62.89 7.02,63.01 6.51,63.01 6.25,63.27 6.25,73.05 v1(7.91,74.7)
/GPI36\U1RXD: length 79.9
  Top w0.152: v1(28.52,47.08) 28.5,47.09 27.76,47.09 26.19,48.66 26.19,52.09 25.69,52.6 25.05,52.6 22.94,54.71 22.94,57.71 21.32,59.33 20.64,59.33 19.62,60.35 15.56,60.35 13.4,58.19 v1(12.18,58.19) ; 7.91,78.13 8.03,78.25 10.43,78.25 v1(10.75,77.93) ; v1(43.67,47.09) 43.16,46.58 D10.1 42.42,46.22 R23.1
  Top w0.61: U6.4 7.9,78.13 7.91,78.13
  In1.Cu w0.152: v1(28.52,47.08) 28.85,46.75 43.33,46.75 v1(43.67,47.09)
  In2.Cu w0.152: v1(10.75,77.93) 10.75,75.34 7.4,71.98 7.4,59.69 8.39,58.7 11.67,58.7 v1(12.18,58.19)
  Bottom w0.152: 46.77,47.81 46.05,47.09 v1(43.67,47.09)
/GPI39: length 79.5
  Top w0.152: v1(28.03,68.86) 28.03,63.58 26.83,62.38 25.56,62.38 24.8,61.62 24.8,58.57 23.4,57.17 23.4,54.81 25.18,53.03 25.89,53.03 27.59,51.33 32.67,51.33 33.65,50.35 46.77,50.35
  Top w0.203: R4.2 4.5,67.5 4.86,67.86 v1(4.86,67.97)
  Top w0.61: U6.5 5.37,76.86
  Top w0.762: 5.37,76.86 v1(4.86,76.35)
  In1.Cu w0.152: v1(4.86,67.97) 10.7,67.97 11.08,68.35 16.41,68.35 17.3,69.24 25.18,69.24 25.49,68.93 27.96,68.93 v1(28.03,68.86)
  Bottom w0.152: v1(4.86,76.35) 5.24,75.97 5.24,74.95 4.98,74.7 4.98,73.68 4.35,73.05 4.35,71.27 4.98,70.63 4.98,69.87 5.49,69.36 5.49,68.6 v1(4.86,67.97)
  Bottom w0.61: v1(4.86,76.35) R9.1
/GPIO0: length 96.9
  Top w0.152: 5.01,32.51 5.5,33 5.5,34.67 5.02,35.15 4.15,35.15 3.84,35.46 3.84,38.25 2.22,39.87
  Top w0.254: R44.1 26.32,65.94 25.56,65.94 v1(24.92,65.3)
  Top w0.305: D2.2 4.47,31.97 5.01,32.51
  Top w0.406: v1(24.92,65.3) 24.79,65.43
  Top w0.508: 24.79,65.43 U6.25
  Top w1.016: v1(2.19,39.87) 2.22,39.87
  In1.Cu w0.152: 46.5,71.37 39.65,64.52 25.7,64.52 v1(24.92,65.3) 22.64,65.3 22,64.67 21.24,64.67 20.61,65.3 20.61,66.44 20.22,66.82 14.64,66.82 13.49,65.68 11.08,65.68 10.5,66.26 3.43,66.26 v1(2.7,65.53)
  Bottom w0.152: 23.53,67.08 23.14,66.7 23.14,65.55 23.4,65.3 v1(24.92,65.3) ; v1(2.19,39.87) 2.19,40.81 3.61,42.24 3.61,51.56 6.49,54.43 6.49,57.09 2.47,61.11 2.47,65.3 v1(2.7,65.53)
  Bottom w0.508: U8.2 23.53,67.08
/GPIO1\U0TXD: length 110.3
  Top w0.152: 4.97,34.74 5.19,34.51 5.19,33.18 4.93,32.91 3.46,32.91 2.75,32.21 v1(2.75,30.25)
  Top w0.203: v1(2.19,37.33) 2.19,36.64 4.08,34.75 4.96,34.75 4.97,34.74
  Top w0.762: U6.35 22.01,78.13 v1(22,78.13)
  In1.Cu w0.152: v1(2.32,78.13) 4.15,79.96 20.17,79.96 v1(22,78.13)
  In2.Cu w0.152: 46.5,68.83 43.17,68.83 33.12,78.88 22.75,78.88 v1(22,78.13)
  Bottom w0.152: v1(2.75,30.25) 3.64,30.25 3.84,30.05 ; 2.19,38.25 3.33,39.39 3.33,41.53 3.92,42.11 3.92,51.43 6.8,54.31 6.8,57.22 2.81,61.21 2.81,64.13 3.31,64.63 3.31,65.83 2.83,66.32 2.83,69.87 3.66,70.71 3.66,73.17 3.33,73.5 3.33,75.46 2.32,76.48 v1(2.32,78.13)
  Bottom w0.61: D7.1 4.53,29.36 3.84,30.05
  Bottom w1.016: 2.19,38.25 v1(2.19,37.33)
/GPIO2\HS2_DATA0: length 101.9
  Top w0.203: v1(2.19,34.79) 3.34,34.79 4.27,33.87
  Top w0.406: v1(21.36,63.79) 21.37,63.8 21.37,64.16
  Top w0.61: 21.75,64.16 21.38,63.79 v1(21.36,63.79) 20.86,64.28 U6.24 20.73,64.16 21.75,64.16 ; 21.75,64.16 22.26,64.16 22.26,64.16 U6.24
  Top w0.762: v1(21.36,63.79) 20.62,63.79
  In1.Cu w0.152: v1(21.36,63.79) 3.45,63.79 v1(3.38,63.85)
  In2.Cu w0.152: v1(21.36,63.79) 20.43,64.72 20.43,69.55 20.82,69.94 20.82,70.42 23.77,73.37 37.13,73.37 44.21,66.29 46.5,66.29
  Bottom w0.152: 3.38,67.28 3.64,67.03 3.64,64.11 v1(3.38,63.85) 3.38,61.06 7.1,57.34 7.1,54.18 4.22,51.3 4.22,41.98 3.64,41.4 3.64,36.65 2.7,35.71
  Bottom w0.406: v1(21.36,63.79) 20.1,62.53 RM3.4.1
  Bottom w0.508: R46.1 3.38,67.92 3.38,67.28
  Bottom w1.016: v1(2.19,34.79) 2.19,35.2 2.7,35.71
/GPIO3\U0RXD: length 103
  Top w0.152: 25.51,78.38 31.87,78.38 46.5,63.75
  Top w0.203: 25.51,78.38 24.05,76.92 v1(22.07,76.92)
  Top w0.762: v1(22.07,76.92) 22.13,76.86 U6.34
  In1.Cu w0.152: v1(4.6,75.33) 3.97,75.97 3.97,77.24 6.38,79.65 19.34,79.65 v1(22.07,76.92)
  Bottom w0.152: 4.09,35.07 3.71,35.46 3.71,36.09 3.94,36.32 3.94,41.27 4.53,41.86 4.53,51.18 7.41,54.06 7.41,57.47 3.96,60.91 3.96,69.1 4.6,69.75 4.6,70.51 3.97,71.14 3.97,73.1 4.6,73.73 v1(4.6,75.33)
  Bottom w0.406: 4.09,35.07 R16.1 R19.2 4.35,32.03 D6.2
  Bottom w0.762: 4.35,32.03 D6.2
/GPIO4\U1TXD: length 49.5
  Top w0.152: D11.1 34.64,45.12 33.17,45.12 33,45.28 v1(33,47.5) ; U6.26 23.99,66.7 24.75,67.46 26.29,67.46 v4(26.5,67.25) ; 44.71,60.5 45.79,60.5 46.5,61.21
  Top w0.203: v1(33,53.5) 33,55 v4(38.5,60.5) 44.71,60.5
  Top w0.305: R27.1 34.66,44.91 D11.1
  In2.Cu w0.152: v4(26.5,67.25) 29,64.75 29,60.75 29.25,60.5 v4(38.5,60.5)
  In2.Cu w0.203: v1(33,47.5) v1(33,53.5)
/GPIO5\SPI_CS: length 67.8
  Top w0.762: v1(21.88,70.18) 22.2,70.51 U6.29
  In2.Cu w0.152: 31.6,52.96 37.32,58.67 46.5,58.67 ; v1(21.88,70.18) 20.73,69.04 20.73,65.43 22.64,63.52 22.64,53.55 21.49,52.41 21.49,52.22
  In2.Cu w0.203: 31.6,52.96 31.6,47.48 28.59,44.47 21.28,44.47 17.92,47.83 17.92,51.09 19.05,52.22 21.49,52.22
